# KiCad board Soldered Inkplate 6 FLICK_panel.kicad_pcb (continued)
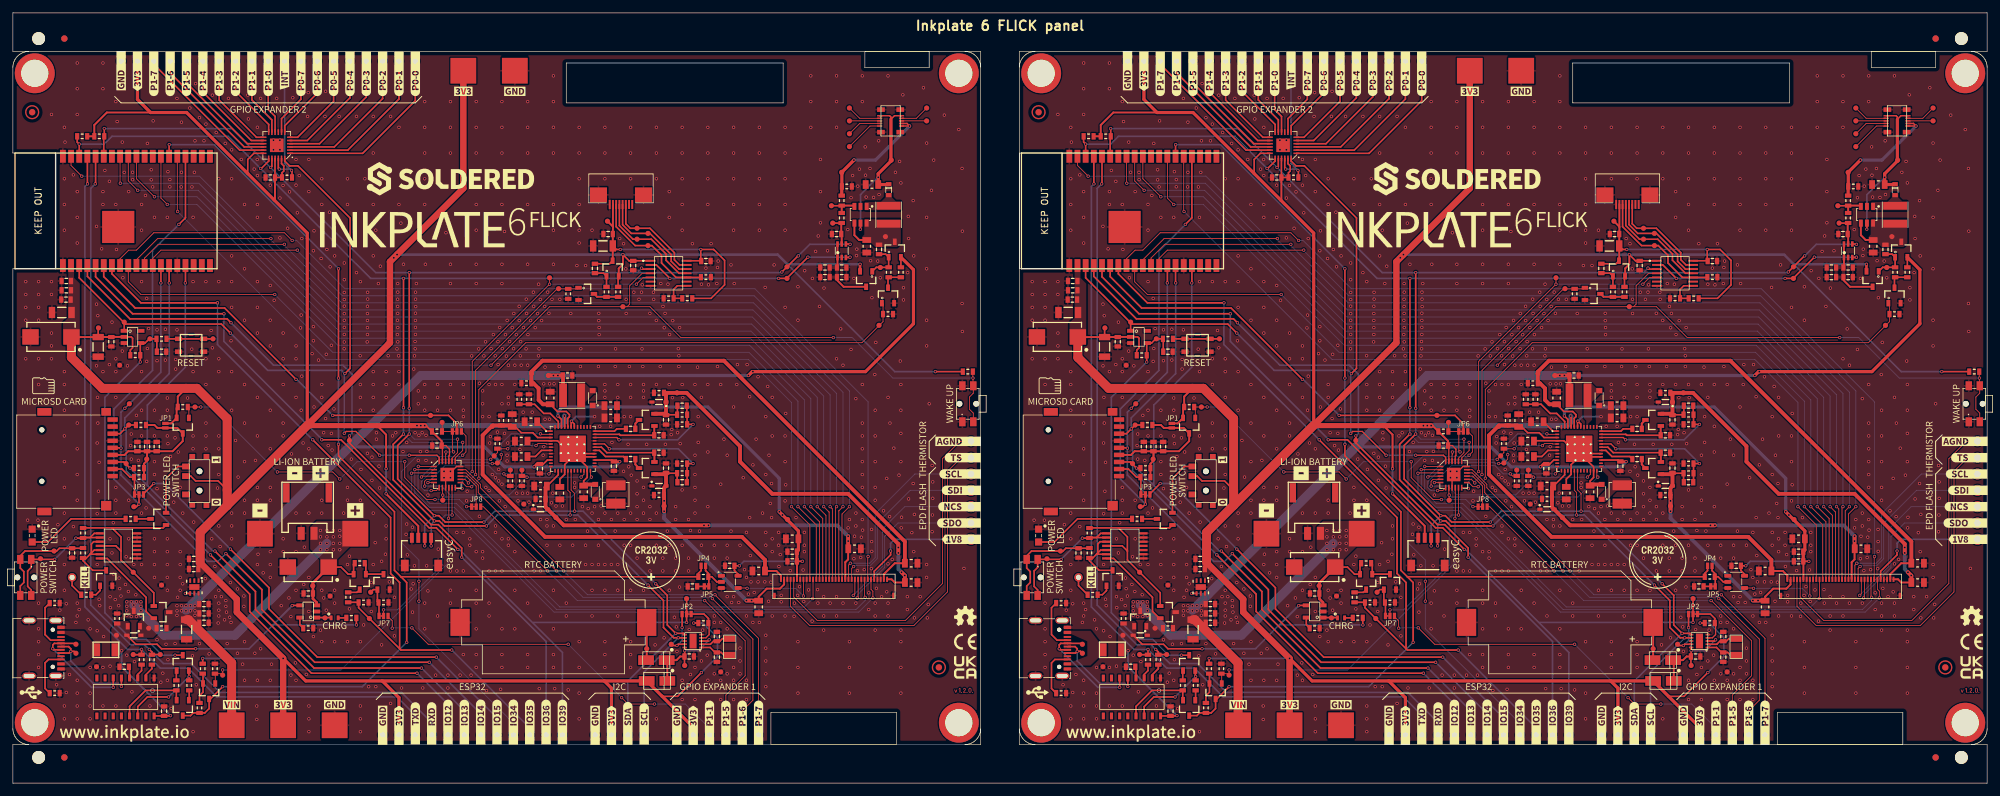
[diagram p0: board, top side]
## Routing (per net, layer and track width the routed paths; a pad name or vN(x,y) marks a point on that pad's centre or on a via; arc(x,y) is an arc through that point) (continued)
Board_0-GPB3: length 87.7
  Top w0.127: Q14#2.1 135.23,74.48 R51.2 135.23,71.78 131.95,68.5 79.7,68.5 72.41,61.21 72.41,47.44 v1(72.43,47.42) ; v1(71.3,46.1) 70.5,46.1 69.85,46.75 U13#2.13
  Bottom w0.127: v1(72.43,47.42) 72.43,47.22 v1(71.3,46.1)
Board_0-GPB4: length 40.8
  Top w0.127: v1(70.79,46.69) 70.79,46.71 70.25,47.25 U13#2.14 ; Q11#2.1 87.73,76.88 R46#2.2 84.58,76.88 71.9,64.2 v1(71.9,48)
  Bottom w0.127: v1(70.79,46.69) 70.79,46.89 v1(71.9,48)
Board_0-GPIO15: length 75.4
  Top w0.254: v1(21.9,46.6) 20.3,45 JP2#2.3 ; v1(33.8,36.4) 39.8,30.4 39.8,27.1 47.3,19.6 v1(65.8,19.6)
  Bottom w0.254: v1(21.9,46.6) 23.6,46.6 v1(33.8,36.4) ; K39#2.1 75.24,10.16 v1(65.8,19.6)
Board_0-GPIO_0: length 187.1
  Top w0.254: 60.3,32.1 R58.1 106.53,32.63 106.95,33.05 JP4#2.1 ; 60.3,32.1 59.3,33.1 59.3,42.2 50.6,50.9 v1(50.6,52.7) ; 60.3,32.1 61.2,31.2 v1(61.2,21.9) ; U14#2.25 24.28,99.28 v1(24.3,99.3) ; v1(50.6,80) v1(50.6,63) ; Q5#2.3 27.6,10.5 28.03,10.93 R21#2.1 29.83,10.93 30.5,11.6 Q1#2.3 30.7,13.1 v1(32.6,15)
  Bottom w0.254: v1(50.6,63) v1(50.6,52.7) ; v1(24.3,99.3) 31.3,99.3 v1(50.6,80) ; v1(61.2,21.9) 54.3,15 v1(32.6,15)
Board_0-GPIO_0_MOSFET: length 57.1
  Top w0.127: v1(67.69,41.19) 67.75,41.24 U13#2.10 ; Q1#2.1 31.45,16.98 R19.2 32.38,17.03 TP14#2.TP ; 32.6,17.03 v1(32.6,17.6)
  Bottom w0.127: v1(32.6,17.6) 51,17.6 67.7,34.3 67.7,41.18 v1(67.69,41.19)
Board_0-GPIO_36: length 241
  Top w0.127: v1(127.5,69.3) 103.8,69.3 99,74.1 95.45,74.1 ; 95.45,74.1 83.4,74.1 v1(74.3,65) ; 95.45,74.1 95.85,74.5 95.85,77.35 97.8,79.3 U8#2.4 ; R41.1 149.18,63.03 v1(149.2,63) 149.2,61.85 SW3.2 149.25,60.65 148.65,60.05 148.65,58.15 149.25,57.55 SW3.2
  Top w0.254: v1(52.3,54) 52.3,52.9 65,40.2 66.12,40.2 69.75,36.57 v1(69.75,35.15) ; U14#2.4 11.58,78.82 18.2,72.2 33.3,72.2 v1(33.9,71.6)
  Bottom w0.127: v1(149.2,63) 136.75,63 130.45,69.3 v1(127.5,69.3) ; 51.39,64.89 51.39,64.91 ; v1(74.3,65) 51.1,65
  Bottom w0.254: v1(52.3,54) 52.7,54.4 52.7,63.6 52.18,64.12 52.16,64.12 51.29,65 40.5,65 v1(33.9,71.6) ; K38.1 82.86,22.04 v1(69.75,35.15)
Board_0-GPIO_39: length 141.4
  Top w0.254: v1(48,53.4) 51,53.4 64.7,39.7 65.8,39.7 v1(69.15,36.35) ; U14#2.5 12.85,78.75 18.6,73 v1(32.8,73) ; v1(104.7,25) JP3.2 TP73#2.TP
  Bottom w0.254: v1(32.8,73) 32.8,68.7 48,53.5 v1(48,53.4) ; K37#2.1 85.4,20.32 69.37,36.35 v1(69.15,36.35) ; v1(104.7,25) 80.9,25
Board_0-I2C_SCL: length 274.8
  Top w0.127: v1(86.6,41.7) 86.6,45.2 86.25,45.55 U1#2.17 ; U13#2.19 68.75,50.59 69.9,51.74 v1(69.9,53)
  Top w0.254: v1(73.6,40) 67.05,40 66.27,40.78 v1(65.5,40.78) 59.1,47.18 59.1,52.7 v1(60.7,54.3) ; v1(38.5,95.6) 38.6,95.6 39.75,96.75 U15.19 ; 130.05,81.75 U9#2.3 ; U14#2.36 v1(10.31,99.39) 10,99.71 R3#2.1 ; v1(119,78.5) 120.25,78.5 v1(123.55,81.8) ; v1(98.7,30.8) 101.1,28.4 101.1,24.2 102.69,22.61 v1(103.41,22.61) 103.42,22.6 U7.7 ; v1(65,36.9) K2.1 ; v1(60.7,58.4) v1(60.7,78.5) ; v1(102.1,78.5) 100,80.6 U8#2.2
  Bottom w0.127: v1(69.9,53) 69.89,52.99 62.01,52.99 v1(60.7,54.3)
  Bottom w0.254: K4#2.1 98.1,17.3 v1(103.41,22.61) ; v1(10.31,99.39) 14.19,99.39 15.4,100.6 33.5,100.6 55.6,78.5 v1(60.7,78.5) v1(119,78.5) ; v1(65.5,40.78) 65,40.28 v1(65,36.9) ; v1(130.1,81.8) v1(123.55,81.8) ; v1(98.7,30.8) 87.8,41.7 v1(86.6,41.7) 75.3,41.7 v1(73.6,40) ; v1(60.7,54.3) v1(60.7,58.4)
Board_0-I2C_SCL_B: length 15.7
  Top w0.254: U8#2.13 103.6,80.6 102.8,81.4 102.8,82.5 99,86.3 95.95,86.3 95.25,87 K12#2.3
Board_0-I2C_SDA: length 271.1
  Top w0.127: v1(87.3,42.3) 87.3,45.05 86.75,45.6 U1#2.18 ; U13#2.20 68.25,50.55 69.1,51.4 v1(69.1,53.5)
  Top w0.254: v1(61.6,58.3) v1(61.6,79.4) ; v1(61.6,54.3) 59.8,52.5 59.8,47.3 v1(65.5,41.6) 66.2,41.6 67.19,40.61 73.19,40.61 v1(73.2,40.6) ; v1(40.05,95.75) 40.25,95.95 U15.20 ; v1(119.5,79.5) 122,82 v1(122.05,82) ; v1(64,36.9) K2.2 ; U14#2.33 14.12,100.52 R4#2.1 14.21,101.8 v1(14.2,101.8) ; U7.6 104.2,23.3 v1(103,23.3) 101.7,24.6 101.7,29.2 v1(99.9,31) ; v1(130.1,83.8) 130.05,83.85 U9#2.4 ; U8#2.3 97.85,79.95 v1(97.7,80.1)
  Bottom w0.127: v1(61.6,54.3) 62.4,53.5 v1(69.1,53.5)
  Bottom w0.254: 97,79.4 119.4,79.4 v1(119.5,79.5) ; 97,79.4 56.4,79.4 v1(40.05,95.75) 34,101.8 v1(14.2,101.8) ; 97,79.4 v1(97.7,80.1) ; v1(99.9,31) 99.9,31 88.6,42.3 v1(87.3,42.3) 74.9,42.3 v1(73.2,40.6) ; v1(65.5,41.6) 64,40.1 v1(64,36.9) ; v1(130.1,83.8) 123.85,83.8 v1(122.05,82) ; v1(103,23.3) 95.56,15.86 K5#2.1 ; v1(61.6,54.3) v1(61.6,58.3)
Board_0-I2C_SDA_B: length 16.6
  Top w0.254: K12#2.4 94.75,86.86 96.11,85.5 99,85.5 102.3,82.2 102.3,81.16 103.51,79.95 U8#2.12
Board_0-INT: length 28.8
  Top w0.127: v1(75.9,51.1) 75.9,50.4 75.2,49.7 v1(74.5,49.7) ; v1(81.99,54.33) 82.06,54.25 U1#2.2 ; U13#2.7 65.8,45.5 v1(65,45.5)
  Bottom w0.127: v1(75.9,51.1) 75.9,52.8 77.43,54.33 v1(81.99,54.33) ; v1(65,45.5) 63.98,45.5 63.49,45.99 63.49,46.89 66.5,49.9 73.78,49.9 73.98,49.7 v1(74.5,49.7)
Board_0-INTB: length 9
  Top w0.127: v1(68.49,51.51) 68.3,51.7 JP6.1 R59#2.2 66.7,54.73 TP59#2.TP ; U13#2.22 67.25,51.05 67.3,51.1 v1(67.3,51.5)
  Bottom w0.127: v1(68.49,51.51) 67.31,51.51 v1(67.3,51.5)
Board_0-IO34: length 67.3
  Top w0.254: v1(49.7,57.2) 67.7,57.2 69,55.9 JP6.2 ; U14#2.6 14.12,78.78 19,73.9 32.9,73.9 v1(44,62.8)
  Bottom w0.254: v1(49.7,57.2) 44.1,62.8 v1(44,62.8)
Board_0-MANUAL_RST: length 63.8
  Top w0.254: C26#2.2 22.37,69.06 R26#2.2 21.2,69.1 20.55,68.45 U3#2.4 19.8,68.35 R29#2.1 v1(19.8,65.5) ; Q4.3 v1(25.2,19.9)
  Bottom w0.254: v1(25.2,19.9) 23.2,19.9 20.7,22.4 18.4,22.4 14.3,26.5 14.3,60 v1(19.8,65.5)
Board_0-Net-(C18-Pad1): length 1.6
  Top w0.3: D6.3 96.73,49.57 C18.1
Board_0-Net-(C19-Pad2): length 1.6
  Top w0.3: D7.3 96.73,55.93 C19.2
Board_0-Net-(C23-Pad2): length 1.8
  Top w0.254: C23.2 18.14,18 U2#2.4
Board_0-Net-(C43-Pad1): length 3.7
  Top w0.254: R48.1 Q12.1 91.78,79.32 C43#2.1
Board_0-Net-(C46-Pad1): length 8.5
  Top w0.3: Q13.3 129.1,77.2 128.07,78.23 ; U9#2.6 U9#2.1 128.15,80.28
Board_0-Net-(C61-Pad2): length 1.1
  Top w0.254: JP5#2.1 C61#2.2
Board_0-Net-(D8-Pad1): length 16
  Top w0.254: D8#2.1 5.45,37.5 9.05,41.1 R32#2.2
Board_0-Net-(D10-Pad1): length 1.3
  Top w0.254: D10.1 R38#2.2
Board_0-Net-(JP2-Pad1): length 6.6
  Top w0.254: JP2#2.1 18.9,47.53 R42#2.1 18.2,47.6 16.95,48.85 K9.2
Board_0-Net-(JP3-Pad1): length 6.9
  Top w0.2: 108.1,25 108.2,24.9 108.2,23.1 107.7,22.6 U7.4
  Top w0.254: JP3.1 107.4,26.3 108.1,25.6 108.1,25
Board_0-Net-(JP4-Pad2): length 5.8
  Top w0.254: U12#2.2 109.4,31.3 108.6,32.1 R58.2 ; R58.2 108.15,32.03 JP5#2.2 ; R58.2 108.08,32.63 107.65,33.05 JP4#2.2
Board_0-Net-(JP6-Pad3): length 62.9
  Top w0.127: v1(69.9,51) 70.41,51.51 70.41,53.99 JP6.3 ; v1(63.1,28.3) v1(63.1,31.4)
  Bottom w0.127: v1(63.1,28.3) 63.1,24 77.78,9.32 K16#2.1 ; v1(69.9,51) 69.7,50.8 62.7,50.8 60.4,48.5 60.4,37.4 63.1,34.7 v1(63.1,31.4)
Board_0-Net-(JP7-Pad2): length 6.3
  Top w0.127: U13#2.15 70.45,47.75 72,46.2 JP7#2.2
Board_0-Net-(JP7-Pad3): length 65.6
  Top w0.127: v1(83.1,33) 73.1,43 JP7#2.3 ; v1(107.5,28.39) 107.56,28.39 113.8,22.14 113.8,16.7 110.8,13.7 K27#2.1
  Bottom w0.127: v1(83.1,33) 87.71,28.39 v1(107.5,28.39)
Board_0-Net-(JP8-Pad2): length 26.3
  Top w0.127: U13#2.11 68.25,41.71 v1(68.26,41.7) ; v1(57.6,26.95) JP8#2.2
  Bottom w0.127: v1(57.6,26.95) 59.75,26.95 66.8,34 66.8,41.3 67.2,41.7 v1(68.26,41.7)
Board_0-Net-(JP8-Pad3): length 58.9
  Top w0.127: v1(94.6,13.3) 95.6,12.3 v1(99.7,12.3) ; v1(62,24.15) 64.55,21.6 v1(86.3,21.6) ; 58.3,25.9 58.95,25.25 v1(58.95,24.1)
  Bottom w0.127: K28#2.1 108.26,8.54 104.5,12.3 v1(99.7,12.3) ; v1(58.95,24.1) 59,24.15 v1(62,24.15) ; v1(94.6,13.3) v1(86.3,21.6)
Board_0-Net-(K1-PadA5): length 8
  Top w0.254: R18#2.1 5,27.28 5,23.1 5.86,22.24 K1#2.A5
Board_0-Net-(K1-PadB5): length 7.7
  Top w0.254: K1#2.B5 5.54,19.24 5,18.7 5,14.73 R17.1
Board_0-Net-(K7-Pad1): length 3.3
  Top w0.254: K7.1 9.2,30.73 R34.2
Board_0-Net-(K11-Pad2): length 6
  Top w0.127: K11#2.2 133.2,102.2 TP1.TP
Board_0-Net-(K11-Pad4): length 5.4
  Top w0.127: TP2#2.TP 131.6,102.6 K11#2.4
Board_0-Net-(K11-Pad5): length 3.9
  Top w0.127: K11#2.5 TP3.TP
Board_0-Net-(K11-Pad6): length 4.7
  Top w0.127: K11#2.6 TP4#2.TP
Board_0-Net-(K11-Pad7): length 4.6
  Top w0.127: K11#2.7 140.4,103.4 TP5#2.TP
Board_0-Net-(K11-Pad8): length 5.4
  Top w0.127: K11#2.8 131.6,103.4 TP6.TP
Board_0-Net-(K14-Pad1): length 19.4
  Top w0.254: v1(136.4,36.1) 136.4,35.5 133.85,32.95 K15.30
  Bottom w0.254: v1(136.4,36.1) 136.4,37.3 137.02,37.92 K14.1
Board_0-Net-(K14-Pad2): length 28.6
  Top w0.127: K15.25 131.35,28.95 v1(131.2,28.8)
  Bottom w0.127: K14.2 137.56,40.46 135.45,38.35 135.45,33.5 131.2,29.25 v1(131.2,28.8)
Board_0-Net-(K14-Pad3): length 30
  Top w0.127: K15.24 130.85,29.45 v1(130.6,29.2)
  Bottom w0.127: v1(130.6,29.2) 135.12,33.72 135.12,39.52 138.6,43 K14.3
Board_0-Net-(K14-Pad4): length 28.5
  Top w0.127: K15.23 130.35,33.39 v1(130.65,33.69)
  Bottom w0.127: v1(130.65,33.69) 130.84,33.87 133.29,33.87 134.33,34.91 134.33,40.43 139.44,45.54 K14.4
Board_0-Net-(K14-Pad5): length 31.1
  Top w0.127: K15.22 129.85,33.9 v1(130.15,34.2)
  Bottom w0.127: v1(130.15,34.2) 133.15,34.2 134,35.05 134,41.9 140.18,48.08 K14.5
Board_0-Net-(K29-Pad1): length 29
  Top w0.254: K29.1 62.54,106.14 54.35,97.95 U15.1
Board_0-Net-(K30-Pad1): length 26.1
  Top w0.254: U15.2 52.05,98.45 60,106.4 K30#2.1
Board_0-Net-(K31-Pad1): length 23.4
  Top w0.254: U15.3 49.95,98.95 57.46,106.46 K31#2.1
Board_0-Net-(K32-Pad1): length 20.5
  Top w0.254: U15.4 47.65,99.45 54.92,106.72 K32.1
Board_0-Net-(K33-Pad1): length 17.8
  Top w0.254: U15.5 45.75,99.95 52.38,106.58 K33.1
Board_0-Net-(K34-Pad1): length 15.4
  Top w0.254: U15.6 44.25,100.45 49.84,106.04 K34#2.1
Board_0-Net-(K35-Pad1): length 13.1
  Top w0.254: K35.1 47.3,107.3 42.25,102.25 U15.7
Board_0-Net-(K36-Pad1): length 12.3
  Top w0.254: K36.1 44.76,106.36 41.75,103.35 U15.8
Board_0-Net-(K43-Pad1): length 11.5
  Top w0.254: K43#2.1 39.68,104.77 40.75,103.7 U15.10
Board_0-Net-(K44-Pad1): length 12.3
  Top w0.254: U15.11 40.25,103.15 37.14,106.26 K44.1
Board_0-Net-(K45-Pad1): length 13.2
  Top w0.254: K45.1 34.6,107.6 39.75,102.45 U15.12
Board_0-Net-(K46-Pad1): length 15.3
  Top w0.254: K46.1 32.06,106.24 37.85,100.45 U15.13
Board_0-Net-(K47-Pad1): length 17.4
  Top w0.254: U15.14 37.05,99.95 29.52,107.48 K47.1
Board_0-Net-(K48-Pad1): length 19.3
  Top w0.254: K48.1 26.98,108.92 36.45,99.45 U15.15
Board_0-Net-(K49-Pad1): length 21.1
  Top w0.254: U15.16 35.95,98.95 24.44,110.46 K49#2.1
Board_0-Net-(K50-Pad1): length 23.1
  Top w0.254: K50.1 21.9,111.8 35.25,98.45 U15.17
Board_0-Net-(Q1-Pad2): length 4.8
  Top w0.254: R21#2.2 29,13.6 29.55,14.15 Q1#2.2 29.55,16.98 R20#2.1
Board_0-Net-(Q2-Pad3): length 4.5
  Top w0.254: R25#2.1 54.85,34.03 Q3#2.1 Q2.3
Board_0-Net-(Q3-Pad3): length 2
  Top w0.254: Q3#2.3 53.48,29.68 R27.2
Board_0-Net-(Q4-Pad1): length 1.5
  Top w0.254: R30#2.1 25.4,17.45 Q4.1
Board_0-Net-(Q5-Pad1): length 1.5
  Top w0.254: R31#2.1 27.4,12.95 Q5#2.1
Board_0-Net-(Q6-Pad2): length 9.2
  Top w0.254: Q6#2.2 23.8,47.4 25.65,49.25 S1#2.3
Board_0-Net-(Q6-Pad3): length 2.3
  Top w0.254: R32#2.1 Q6#2.3
Board_0-Net-(Q8-Pad1): length 2.4
  Top w0.254: Q8.1 13.55,29.95 12.9,29.3 R34.1
Board_0-Net-(Q8-Pad3): length 12.2
  Top w0.254: 12,35.6 11.43,35.03 R37#2.2 10.9,34.6 12.4,33.1 Q8.3 ; 12,35.6 12.15,35.75 ; 12,35.6 U4#2.13 ; 12.15,35.75 12.2,35.8 12.2,37.2 12.55,37.55 U4#2.10 ; 12.15,35.75 12.65,36.25 U4#2.12
Board_0-Net-(Q11-Pad3): length 3.9
  Top w0.254: R47.1 R48.2 90.78,75.63 Q11#2.3
Board_0-Net-(Q14-Pad3): length 3.4
  Top w0.254: Q14#2.3 136,78.58 ; R53.1 R52#2.1
Board_0-Net-(R39-Pad1): length 1.9
  Top w0.254: R39#2.1 44.6,24.63 U6#2.5
Board_0-Net-(R49-Pad1): length 5
  Top w0.254: R49.1 R50.1 102.68,76.78 103.25,77.35 U8#2.8
Board_0-PWR-SW-A: length 20.5
  Top w0.254: SW2#2.1 2.85,30.05 2.3,30.6 2.3,33 2.85,33.55 SW2#2.1 v1(6.5,34.8) ; v1(9.8,38.1) 10.88,38.1 R35.1 10.98,38.2 U4#2.9 ; 11.4,38.2 12,38.2 12.65,38.85 U4#2.8
  Bottom w0.254: v1(6.5,34.8) v1(9.8,38.1)
Board_0-PWR-SW-B: length 16.9
  Top w0.254: R37#2.1 10.86,36.53 C31.2 7.23,36.53 6.8,36.1 1.9,36.1 1.15,35.35 SW2#2.2 1.15,33.45 1.7,32.9 1.7,31.2 1.15,30.65 SW2#2.2
Board_0-PWR_GOOD: length 27.5
  Top w0.127: U13#2.8 66.75,44.85 v1(66.8,44.8) TP40.TP ; v1(89.9,47.6) 89.75,47.75 U1#2.24
  Bottom w0.127: v1(89.9,47.6) 86.8,44.5 67.1,44.5 v1(66.8,44.8)
Board_0-PWRUP: length 31.3
  Top w0.127: TP36#2.TP R7#2.1 79.71,47.78 v1(79.9,47.59) ; v1(88.3,47.6) 88.75,48.05 U1#2.22 ; v1(64,46.2) 63.99,46.21 63.99,46.95 64.29,47.25 U13#2.5
  Bottom w0.127: v1(88.3,47.6) 88.29,47.59 v1(79.9,47.59) 77.14,44.83 67.97,44.83 66.6,46.2 v1(64,46.2)
Board_0-RST: length 116.1
  Top w0.2: U13#2.24 66.25,50.65 65.9,51 v1(61.6,51) ; v1(51.5,54.4) 51.8,54.7 53.3,54.7 v1(57,51)
  Top w0.254: U14#2.3 10.31,78.59 17.15,71.75 ; 17.15,71.75 17.5,71.4 32.4,71.4 v1(33.8,70) ; 17.15,71.75 17.3,71.6 U3#2.1 ; v1(51.6,63.7) 52.4,64.5 52.4,87.9 44.3,96 43,96 42.25,96.75 U15.24
  Bottom w0.2: 51.5,63.6 v1(51.5,54.4) ; v1(57,51) v1(61.6,51)
  Bottom w0.254: v1(33.8,70) 39.6,64.2 51.1,64.2 v1(51.6,63.7) 51.5,63.6
Board_0-RST-SW: length 7.2
  Top w0.254: R26#2.1 SW1.2 SW1.2 TP68.TP
Board_0-RTC-BATT: length 5.9
  Top w0.3: K10#2.+ 98.5,19.23 D12#2.1
Board_0-RXD: length 134.8
  Top w0.254: U14#2.34 12.85,93.25 v1(12.8,93.2) ; 22.8,20 21.63,20 R23#2.2 21.6,20.4 v1(21.2,20.8)
  Bottom w0.254: K23#2.1 65.08,9.42 60.4,14.1 32.2,14.1 27.7,18.6 23.4,18.6 v1(21.2,20.8) 20.5,21.5 18.3,21.5 12.1,27.7 12.1,92.5 v1(12.8,93.2)
Board_0-SD_ENABLE: length 56
  Top w0.127: v1(41.1,48.4) 49.7,48.4 v1(50.8,47.3) ; Q10.1 27.35,58.33 R40.2 v1(29.2,58.5) ; v1(70.5,43) JP7#2.1 ; v1(65.6,44.1) 64.3,44.1 60.9,47.5 v1(60.9,50)
  Bottom w0.127: v1(70.5,43) 69.4,44.1 v1(65.6,44.1) ; v1(41.1,48.4) 31,58.5 v1(29.2,58.5) ; v1(60.9,50) 53.5,50 v1(50.8,47.3)
Board_0-SPI_CS: length 62.8
  Top w0.254: v1(25.8,86.9) 26.82,87.92 U14#2.23 ; JP2#2.2 v1(19.6,43.4) 19.2,43 TP54#2.TP
  Bottom w0.254: v1(19.6,43.4) 15.7,47.3 15.7,58.2 21.7,64.2 21.7,82.8 v1(25.8,86.9)
Board_0-SPI_MISO: length 110.5
  Top w0.254: U14#2.14 24.28,77.82 v1(24.3,77.8) ; R45#2.1 TP57#2.TP 16.65,54.35 K9.7 ; v1(30.7,35.5) 36.8,29.4 36.8,26.7 46.4,17.1 v1(62.8,17.1)
  Bottom w0.254: K25.1 67.62,12.28 v1(62.8,17.1) ; v1(30.7,35.5) 17.6,48.6 17.6,54.9 v1(17.4,55.1) 17.4,56.8 24.3,63.7 v1(24.3,77.8)
Board_0-SPI_MOSI: length 113.4
  Top w0.254: v1(26.8,77.8) 26.82,77.82 U14#2.16 ; R43#2.1 v1(18.2,49) 17.25,49.95 K9.3 ; v1(31.4,36.1) 37.7,29.8 37.7,27 46.8,17.9 v1(63.5,17.9)
  Bottom w0.254: v1(31.4,36.1) 31.1,36.1 v1(18.2,49) ; 20.9,46.3 20.9,58.8 26.8,64.7 v1(26.8,77.8) ; K26.1 70.16,11.24 v1(63.5,17.9)
Board_0-SPI_SCK: length 114.9
  Top w0.127: TP56.TP v1(17.4,58.3)
  Top w0.254: U14#2.13 23.01,77.81 v1(23,77.8) ; v1(16.8,52.1) 16.75,52.15 K9.5 ; v1(33.1,35.7) 38.7,30.1 38.7,27 46.9,18.8 v1(64.7,18.8)
  Bottom w0.254: v1(64.7,18.8) 72.7,10.8 K24#2.1 ; v1(23,77.8) 23,63.9 v1(17.4,58.3) 16.8,57.7 v1(16.8,52.1) 16.8,47.9 30.2,34.5 31.9,34.5 v1(33.1,35.7)
Board_0-SW_IN: length 13.5
  Top w0.254: U4#2.14 14.65,34.95 20.7,28.9 20.7,26.7 21.75,25.65 Q9.2
Board_0-SW_OUT_D: length 31.6
  Top w0.254: 16.8,36.1 16,36.9 U4#2.11 ; 16.8,36.1 16.8,34.7 21.9,29.6 Q9.1 ; 16.8,36.1 16.8,38.3 15.4,39.7 ; 15.4,39.7 23.35,39.7 Q6#2.1 ; 15.4,39.7 10.93,39.7 R35.2
Board_0-TOUCH_INT_B: length 17.4
  Top w0.254: K12#2.5 94.25,86.71 96.37,84.6 99.2,84.6 101.5,82.3 101.5,81.32 103.52,79.3 U8#2.11
Board_0-TOUCH_RESET: length 55.7
  Top w0.127: v1(96.9,77.6) 97.95,78.65 U8#2.5 ; TP21#2.TP v1(83.4,77.6) 71.38,65.58 v1(71.38,48.47) ; v1(69.8,45.8) 69.65,45.95 U13#2.12
  Bottom w0.127: v1(71.38,48.47) 69.8,46.89 v1(69.8,45.8) ; v1(83.4,77.6) v1(96.9,77.6)
Board_0-TOUCH_RESET_B: length 20.6
  Top w0.254: R57.1 106.88,78.65 U8#2.10 103.05,78.65 100.8,80.9 100.8,82.1 99.3,83.6 96.7,83.6 93.75,86.55 K12#2.6
Board_0-TS: length 55.3
  Top w0.127: K13.2 147.37,50.62 145.25,48.5 145.25,29.75 140,24.5 123.85,24.5 120.85,27.5 K15.4
Board_0-TXD: length 133.8
  Top w0.254: TP16.TP 18.73,19.98 R22.2 v1(20,20.8) ; v1(11.6,93.2) 11.58,93.22 U14#2.35
  Bottom w0.254: K20#2.1 62.54,10.56 59.7,13.4 31.7,13.4 27.2,17.9 22.9,17.9 v1(20,20.8) 17.8,20.8 11.2,27.4 11.2,92.8 v1(11.6,93.2)
Board_0-V_BAT: length 123
  Top w0.254: v1(31.8,74.7) 19.9,74.7 15.39,79.21 U14#2.7 ; 60.15,20.85 53.73,27.28 R28.2 53.7,28.13 R27.1 ; 60.15,20.85 60.3,20.7 v1(68.2,20.7) ; 60.15,20.85 60.1,20.9 60.1,31.2 58.7,32.6 58.7,41.3 v1(46.6,53.4)
  Bottom w0.254: v1(31.8,74.7) 31.8,68.2 v1(46.6,53.4) ; v1(68.2,20.7) 80.32,8.58 K19.1
Board_0-V_BAT_MOS: length 5.5
  Top w0.254: 56.9,25.9 56.9,28.03 R24.2 56.65,28.28 Q2.1 56,30.1 TP60#2.TP
Board_0-VBAT: length 51.2
  Top w0.254: R25#2.2 52.95,34.03 Q3#2.2 52.1,32.5 51,33.6 C32.1
  Top w0.4: C32.1 46.63,31.16 C33.2 46.63,28.67 47.2,28.1 U6#2.3
  Bottom w1.4: v1(48.8,37.3) 34.5,23 23.5,23 v1(18.8,27.7)
  vias: v1(17.7,28.2) v1(17.7,27.5) v1(17.7,26.8) v1(17.7,26.1) v1(18.4,28.2) v1(18.4,25.9) v1(19.2,28.2) v1(19.2,25.9) v1(19.9,28.2) v1(19.9,27.5) v1(19.9,26.8) v1(19.9,26.1) v1(47.8,39.3) v1(47.8,38.3) v1(47.8,37.3) v1(47.8,36.3) v1(48.8,39.3) v1(48.8,38.3) v1(48.8,36.3) v1(49.8,39.3) v1(49.8,38.3) v1(49.8,37.3) v1(49.8,36.3) v1(50.8,39.3) v1(50.8,38.4) v1(50.8,37.3) v1(50.8,36.3)
Board_0-VCOM: length 63.7
  Top w0.254: U1#2.14 84.75,47.95 83,46.2 C6.2
  Top w0.3: 129.8,36.45 129.8,34.8 129.35,34.35 K15.21
  Top w0.6: 129.8,36.45 v1(129.8,38.4) ; C6.2 82.78,46 R11.2 82.78,42.93 D3#2.1 85.6,40.1 v1(108.1,40.1)
  Bottom w0.6: v1(107.4,40.1) 128.1,40.1 v1(129.8,38.4) v1(129.8,37.65)
Board_0-VCOM_CTRL: length 24.7
  Top w0.127: v1(83.3,48.1) 83.6,48.4 U1#2.12 ; v1(64.5,46.74) 64.51,46.75 U13#2.6 ; TP38.TP R6#2.1 76.63,47.78 v1(76.3,48.1)
  Bottom w0.127: v1(83.3,48.1) v1(76.3,48.1) 75.2,48.1 73.93,49.37 67.14,49.37 v1(64.5,46.74)
Board_0-VDDH: length 67.2
  Top w0.254: C14.2 101.57,57.3 R13#2.2 103.27,57.35 C16.2
  Top w0.3: K15.34 136.55,31.7 137.05,31.2 C60#2.2
  Top w0.6: v1(138.1,32.8) 138.63,32.28 C60#2.2 ; D7.2 101.28,57.45 C14.2 D2#2.2 101.5,60.38 R10.2 104.7,60.7 113,52.4 113,50 118,45 129.8,45 137.6,37.2 v1(137.6,35.8)
  Bottom w0.6: v1(138.6,32.3) 137.6,33.3 v1(137.6,36.65)
Board_0-VEE: length 40.9
  Top w0.254: C15.2 101.57,48.2 R15.2 103.23,46.85 C17#2.2
  Top w0.3: 115.88,28.4 C57#2.2 115.9,29 117.15,30.25 119.2,30.25 119.85,30.9 K15.2
  Top w0.6: D6.1 101.28,48.05 C15.2 D5#2.1 101.18,45.9 R12#2.2 101.2,44.78 v1(101.2,42.3) ; v1(114,28.4) 115.88,28.4
  Bottom w0.6: v1(114.8,28.4) v1(114,28.4) 101.2,41.2 v1(101.2,42.3) v1(101.2,43.9)
Board_0-VIN: length 224.2
  Top w0.254: U5.4 26.81,29.51 v1(26.8,29.5) ; U1#2.10 83.05,50.25 82.43,49.63 C5.2 ; 93.3,50.03 93.08,50.25 U1#2.27 ; R52#2.2 Q15#2.2
  Top w0.4: v1(81,49.2) 81.43,49.63 C5.2 ; v1(94.3,50) 93.33,50 93.3,50.03
  Top w0.5: v1(114.3,63.4) 114.9,64 132.5,64 139.95,71.45 139.95,79.85 Q15#2.2
  Top w0.6: L2#2.1 85.5,63.37 C10.2 TP23#2.TP
  Top w1.4: PAD1.1 34,18.7 27.28,25.43 C27#2.2
  Bottom w0.254: 29.35,29.35 29.2,29.5 v1(26.8,29.5)
  Bottom w0.5: v1(94.3,50) 93.5,49.2 v1(81,49.2) 76.4,49.2 73.3,52.3 52.3,52.3 ; v1(84.7,63.4) v1(114.3,63.4) 114.9,64 v1(115,64)
  Bottom w1: 26.9,26.9 v1(26.9,26.8)
  Bottom w1.4: v1(84.7,63.4) 63.4,63.4 26.9,26.9
  vias: v1(25.5,27.6) v1(25.5,26.8) v1(25.5,26.1) v1(26.2,27.6) v1(26.2,26.8) v1(26.9,27.6) v1(27.6,27.6) v1(27.6,26.8) v1(28.3,27.6) v1(28.3,26.8) v1(28.3,26.1) v1(84,63.4)
Board_0-VIN_BCK: length 4.1
  Top w0.3: C54#2.2 131.53,84.48 130.78,85.23 U10#2.4
Board_0-VNEG: length 72.6
  Top w0.254: C2#2.2 78.08,55.43 79,54.5 80.8,54.5 81.55,53.75 U1#2.3
  Top w0.3: K15.1 119.35,32.3 118.65,33 C56.2
  Top w0.6: C2#2.2 77.4,55.63 R8#2.1 74.53,55.63 73,54.1 73,48 82.7,38.3 113.3,38.3 116.88,34.73 C56.2
Board_0-VPOS: length 91.4
  Top w0.254: C13#2.2 84.63,57.8 86,57.8 86.5,57.3 86.5,57 86.22,56.72 86.22,55.43 U1#2.44
  Top w0.3: K15.33 135.35,32.5 137.05,34.2 C59.2
  Top w0.6: C13#2.2 82.38,58.93 81.7,59.6 81.7,61.4 80.9,62.2 R9#2.1 80.58,63.98 82.3,65.7 110.5,65.7 138.63,37.58 C59.2
Board_0-VUSB: length 60.5
  Top w0.254: v1(28.4,20.9) 23.1,20.9 22.4,21.6 19.1,21.6 D9.1 ; U2#2.16 23.48,10.45 C22.2 24.47,10.47 v1(24.5,10.5) ; v1(53.4,24.6) 53.38,24.63 R38#2.1 ; v1(43.4,27.6) 43.45,27.65 U6#2.4
  Bottom w0.254: v1(53.4,24.6) 40.5,24.6 40.45,24.65 36.7,20.9 v1(28.4,20.9)
  Bottom w0.3: v1(16.9,20.6) 16.9,18.1 v1(24.5,10.5) ; 40.45,24.65 v1(43.4,27.6)
Board_0-WAKEUP: length 24.7
  Top w0.127: v1(63.49,47.61) 63.63,47.75 U13#2.4 ; v1(74.26,50.36) 75.3,51.4 R5.1 75.33,52 v1(76.9,52) ; U1#2.5 82.9,52.75 82.81,52.84 81.64,52.84 v1(81.3,52.5)
  Bottom w0.127: v1(74.26,50.36) 74.2,50.3 66.18,50.3 v1(63.49,47.61) ; v1(81.3,52.5) 77.4,52.5 v1(76.9,52)
Board_1-3V3: length 609.6
  Top w0.2: U13.23 223.15,52.38 C65#2.2 223.7,52.5 224.25,51.95 224.25,50.97 224.15,50.87 U13.21
  Top w0.254: U15#2.21 197.13,97.13 C71.2 R60#2.1 198.23,94.93 198.5,95.2 198.5,96 198.15,96.35 U15#2.23 ; S1.2 184.05,47.75 184.8,47 188.3,47 189.7,45.6 ; U15#2.18 193.85,97.95 192.9,97 192.9,94.8 ; U1.45 242.15,57.05 v1(242.1,57.1) ; 257.3,13.5 259.7,13.5 v1(263.4,17.2) ; R20.2 v1(185.9,19.4) ; v1(299.75,64) R41#2.2 ; U8.1 253.22,81.25 253.2,81.23 ; R47#2.2 250.45,78.75 Q12#2.2 ; U3.2 174.8,69.4 175,69.2 175,67.7 174.65,67.35 R29.2 ; TP65#2.TP 169.66,70.76 169.66,69.38 C24#2.2 ; C42.2 252.17,81.23 v1(251.2,82.2) ; v1(262.2,24.9) R44.2 ; 165.52,69.38 C70#2.1 ; 171.72,69.4 C25#2.2
  Top w0.3: K2#2.3 219.4,40 v1(214.4,45) ; 213,55.6 214.4,54.2 v1(214.4,48.9) ; C25#2.2 169.66,69.38 ; U3.2 171.72,69.4 ; C24#2.2 165.52,69.38 ; R3.2 R4.2 169.06,102.36 171,104.3 177.8,104.3 ; JP1.2 181,55.95 Q10#2.2 181.85,58.33 R40#2.1 182.03,60.13 183.3,61.4 ; C65#2.2 223.03,53.2 220.63,55.6 v1(220.4,55.6) ; 197.13,90.57 C71.2 ; Q12#2.2 250.55,80.05 251.2,80.7 v1(251.2,82.2)
  Top w0.4: v1(288.05,80.7) Q13#2.2
  Top w0.5: 213.8,15.9 216.4,13.3 K17#2.1 ; 213.8,15.9 201.9,15.9 v1(198.4,19.4) ; 213.8,15.9 248.3,15.9 ; K51.1 175.76,106.34 177.8,104.3 183.4,104.3 202.15,85.55 202.15,55.65 ; 248.3,15.9 D11.1 262.12,8.68 K41.1 ; 248.3,15.9 249.42,14.78 K3.1
  Top w0.8: 202.15,55.65 202.2,55.6 v1(220.4,55.6)
  Top w1: 202.15,55.65 215,68.5 215,81.1 v1(216.1,82.2) 226.4,92.5 PAD2#2.1 ; PAD3.1 v1(198.4,19.4) 191.2,26.6 191.2,28.6 185.5,34.3
  Top w1.4: 185.5,34.3 185.5,39 189.7,43.2 ; C70#2.1 165.5,66.21 170.3,61.4 185,61.4 189.7,56.7 189.7,43.2 ; 189.7,43.2 202.15,55.65
  Bottom w0.254: 276.75,80.7 293.45,64 v1(299.75,64) ; v1(262.2,24.9) 263.6,24.9 265.9,22.6 265.9,19.7 v1(263.4,17.2) ; v1(198.4,19.4) v1(185.9,19.4)
  Bottom w0.3: v1(214.4,45) v1(214.4,48.9)
  Bottom w0.4: v1(215.6,81.7) v1(216.1,82.2) v1(251.2,82.2) 275.25,82.2 276.75,80.7 v1(288.05,80.7)
  Bottom w0.8: v1(219.2,55.6) 241.6,55.6 242.1,56.1 v1(242.1,57.1)
  vias: v1(219.8,55.6)
Board_1-3V3-EINK: length 73.2
  Top w0.254: v1(241.11,57.11) 241.65,56.57 U1.46 ; U12.5 269.1,32.5 268.53,33.07 C64#2.2 v1(269.3,33.8) ; v1(279.1,34.5) C63#2.1
  Top w0.3: C63#2.1 278.25,34.48 K15#2.6
  Top w0.5: C63#2.1 C62#2.1 278.48,36.25 C55#2.2 278.48,39.23 v1(275.5,42.2)
  Bottom w0.254: 241.7,58.4 241.8,58.5 ; v1(269.3,33.8) 270,34.5 v1(279.1,34.5)
  Bottom w0.5: 241.7,58.4 241.11,57.81 v1(241.11,57.11) ; v1(276,41.7) v1(275.5,42.2) 275.5,47.4 264.4,58.5 241.8,58.5
Board_1-3V3_MICROSD: length 23.5
  Top w0.3: C40.2 C38#2.2 181.22,51.62 182.8,53.2 Q10#2.3 181.95,55.25 JP1.1 178.85,55.25 178.4,55.7 R45.2 ; C40.2 177.25,50.15 176.78,49.68 R43.2 R42.2 ; C40.2 C39#2.2 174.32,51.62 173.75,51.05 K9#2.4
Board_1-3V3_RTC: length 14.9
  Top w0.254: TP71.TP 260.77,18.33 C41.2 260.8,19.73 U7#2.10 ; U7#2.3 264.42,22.1 v1(264.61,22.29)
  Top w0.3: C41.2 260.1,19.7 259.53,19.13 D12.2 258.1,19.03 D11.2
  Bottom w0.254: v1(264.61,22.29) 262.92,20.6 v1(260.8,20.6)
Board_1-3V3_TOUCH: length 45.2
  Top w0.127: 249.65,86.55 249.65,86.45
  Top w0.254: 249.63,83.56 C44.1 250.18,83 v1(250.8,83) ; C43.2 249.13,80.78 249.63,81.28 Q12#2.3 ; U8.14 263.32,81.25 C45.1 263.3,81.27 v1(263.3,83) 265.3,83 267,81.3 267,77.5 264.9,75.4 R49#2.2 ; 249.65,85.42 C53.2
  Top w0.3: C53.2 249.63,83.56 ; K12.7 249.65,85.42 ; TP32.TP 249.65,86.55 ; C44.1 249.63,81.28
  Bottom w0.254: v1(250.8,83) v1(263.3,83)
Board_1-/CTRL & COMS/CH_RXD: length 2.3
  Top w0.254: U2.3 175.81,16.91 176.4,17.5 R22#2.1
Board_1-/CTRL & COMS/CH_TXD: length 2.5
  Top w0.254: U2.2 177.08,16.88 178,17.8 R23.1
Board_1-/CTRL & COMS/DTR: length 11.3
  Top w0.254: Q5.2 181.8,12.95 R30.2 177.03,14.43 174.54,11.94 U2.13
Board_1-/CTRL & COMS/RTS: length 12.9
  Top w0.254: R31.2 v1(183.8,16.6) 183.75,16.65 Q4#2.2 ; U2.14 175.81,11.91 177.3,13.4 v1(180.6,13.4)
  Bottom w0.254: v1(180.6,13.4) v1(183.8,16.6)
Board_1-/MCU & GPIO Expanders/GPB_6: length 72.4
  Top w0.127: U13.16 226.81,48.25 228.73,46.34 228.73,45.17 v1(240.9,33) ; K21#2.1 269.74,11.24 271.4,12.9 271.4,22.4 v1(265.1,28.7)
  Bottom w0.127: v1(240.9,33) 245,28.9 264.9,28.9 v1(265.1,28.7)
Board_1-/MCU & GPIO Expanders/GPB_7: length 72.5
  Top w0.127: U13.17 226.77,48.75 229.05,46.47 229.05,45.95 v1(242,33) ; v1(265.5,29.3) 272.28,22.52 K22.1